# KiCad board manila_ice.kicad_pcb (continued)
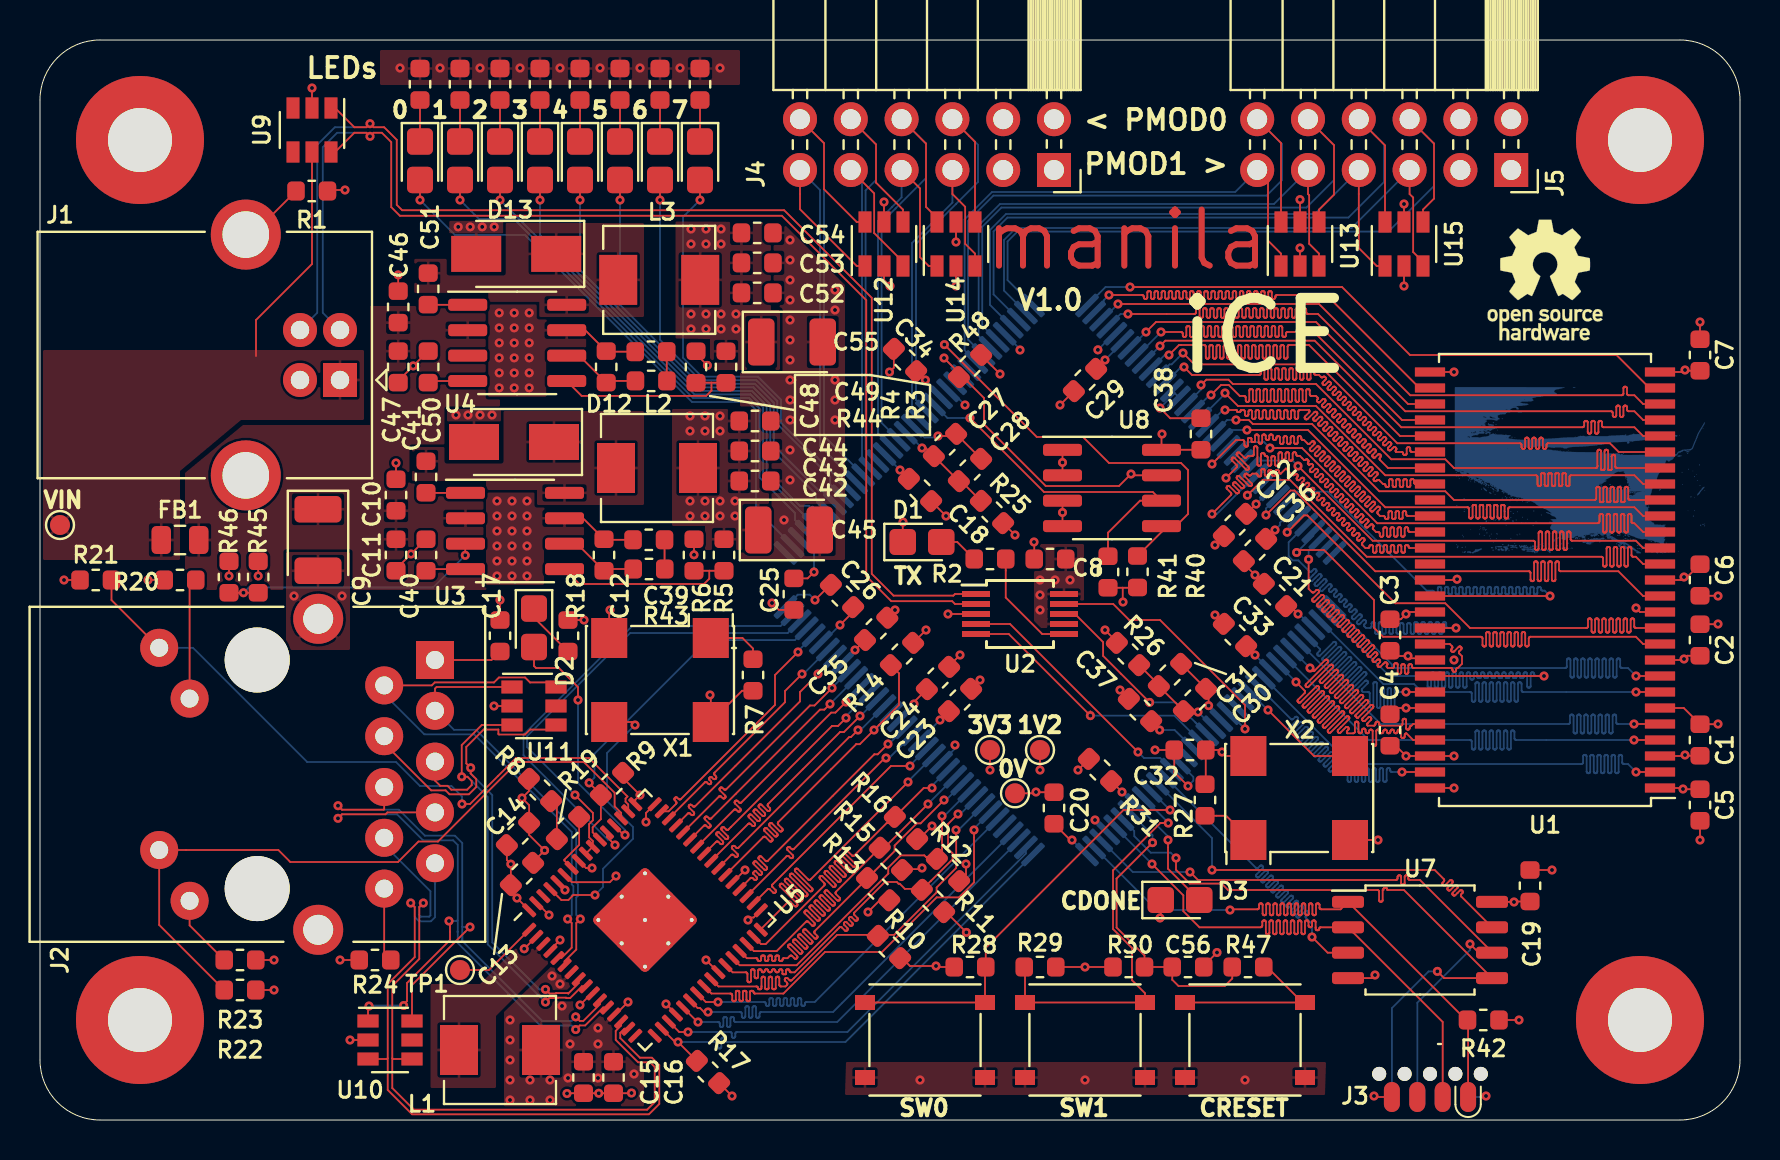
[diagram p0: board, top side]
## Routing (per net, layer and track width the routed paths; a pad name or vN(x,y) marks a point on that pad's centre or on a via; arc(x,y) is an arc through that point) (continued)
  Bottom w0.089: v1(57.2,37.65) 57.05,37.65 U6.12 56.66,37.25
/SDRAM/ADDRESS9: length 31
  Top w0.089: v1(58.55,36.25) 59.05,36.75 59.44,36.75 59.99,36.2 60.2,36.2 60.22,36.2 60.24,36.19 60.25,36.18 60.27,36.17 60.28,36.15 60.28,36.13 60.29,36.11 60.29,35.99 60.29,35.97 60.3,35.95 60.31,35.94 60.32,35.92 60.34,35.91 60.36,35.9 60.38,35.9 60.4,35.9 60.41,35.91 60.43,35.92 60.45,35.94 60.46,35.95 60.46,35.97 60.46,35.99 60.46,36.46 60.47,36.48 60.47,36.5 60.48,36.52 60.5,36.53 60.51,36.54 60.53,36.55 60.55,36.55 60.57,36.55 60.59,36.54 60.61,36.53 60.62,36.52 60.63,36.5 60.64,36.48 60.64,36.46 60.64,35.99 60.64,35.97 60.65,35.95 60.66,35.94 60.68,35.92 60.69,35.91 60.71,35.9 60.73,35.9 60.75,35.9 60.77,35.91 60.79,35.92 60.8,35.94 60.81,35.95 60.82,35.97 60.82,35.99 60.82,36.46 60.82,36.48 60.83,36.5 60.84,36.52 60.85,36.53 60.87,36.54 60.89,36.55 60.91,36.55 60.93,36.55 60.95,36.54 60.96,36.53 60.98,36.52 60.99,36.5 61,36.48 61,36.46 61,35.99 61,35.97 61.01,35.95 61.02,35.94 61.03,35.92 61.05,35.91 61.07,35.9 61.09,35.9 61.11,35.9 61.13,35.91 61.14,35.92 61.16,35.94 61.17,35.95 61.17,35.97 61.18,35.99 61.18,36.46 61.18,36.48 61.18,36.5 61.2,36.52 61.21,36.53 61.23,36.54 61.24,36.55 61.26,36.55 61.28,36.55 61.3,36.54 61.32,36.53 61.33,36.52 61.34,36.5 61.35,36.48 61.35,36.46 61.35,35.99 61.36,35.97 61.36,35.95 61.37,35.94 61.39,35.92 61.4,35.91 61.42,35.9 61.44,35.9 61.46,35.9 61.48,35.91 61.5,35.92 61.51,35.94 61.52,35.95 61.53,35.97 61.53,35.99 61.53,36.46 61.53,36.48 61.54,36.5 61.55,36.52 61.56,36.53 61.58,36.54 61.6,36.55 61.62,36.55 61.64,36.55 61.66,36.54 61.68,36.53 61.69,36.52 61.7,36.5 61.71,36.48 61.71,36.46 61.71,35.99 61.71,35.97 61.72,35.95 61.73,35.94 61.74,35.92 61.76,35.91 61.78,35.9 61.8,35.9 61.82,35.9 61.84,35.91 61.85,35.92 61.87,35.94 61.88,35.95 61.88,35.97 61.89,35.99 61.89,36.46 61.89,36.48 61.9,36.5 61.91,36.52 61.92,36.53 61.94,36.54 61.96,36.55 61.98,36.55 62,36.55 62.01,36.54 62.03,36.53 62.05,36.52 62.06,36.5 62.06,36.48 62.06,36.46 62.06,35.99 62.07,35.97 62.07,35.95 62.08,35.94 62.1,35.92 62.11,35.91 62.13,35.9 62.15,35.9 62.17,35.9 62.19,35.91 62.21,35.92 62.22,35.94 62.23,35.95 62.24,35.97 62.24,35.99 62.24,36.46 62.24,36.48 62.25,36.5 62.26,36.52 62.28,36.53 62.29,36.54 62.31,36.55 62.33,36.55 62.35,36.55 62.37,36.54 62.39,36.53 62.4,36.52 62.41,36.5 62.42,36.48 62.42,36.46 62.42,35.99 62.42,35.97 62.43,35.95 62.44,35.94 62.45,35.92 62.47,35.91 62.49,35.9 62.51,35.9 62.53,35.9 62.55,35.91 62.56,35.92 62.58,35.94 62.59,35.95 62.6,35.97 62.6,35.99 62.6,36.46 62.6,36.48 62.61,36.5 62.62,36.52 62.63,36.53 62.65,36.54 62.67,36.55 62.69,36.55 62.71,36.55 62.73,36.54 62.74,36.53 62.76,36.52 62.77,36.5 62.77,36.48 62.78,36.46 62.78,35.99 62.78,35.97 62.78,35.95 62.8,35.94 62.81,35.92 62.83,35.91 62.84,35.9 62.86,35.9 62.88,35.9 62.9,35.91 62.92,35.92 62.93,35.94 62.94,35.95 62.95,35.97 62.95,35.99 62.95,36.46 62.96,36.48 62.96,36.5 62.97,36.52 62.99,36.53 63,36.54 63.02,36.55 63.04,36.55 63.06,36.55 63.08,36.54 63.1,36.53 63.11,36.52 63.12,36.5 63.13,36.48 63.13,36.46 63.13,35.99 63.13,35.97 63.14,35.95 63.15,35.94 63.16,35.92 63.18,35.91 63.2,35.9 63.22,35.9 63.24,35.9 63.26,35.91 63.28,35.92 63.29,35.94 63.3,35.95 63.31,35.97 63.31,35.99 63.31,36.46 63.31,36.48 63.32,36.5 63.33,36.52 63.34,36.53 63.36,36.54 63.38,36.55 63.4,36.55 63.42,36.55 63.44,36.54 63.45,36.53 63.47,36.52 63.48,36.5 63.48,36.48 63.49,36.46 63.49,36.29 63.49,36.27 63.5,36.25 63.51,36.24 63.52,36.22 63.54,36.21 63.56,36.2 63.58,36.2 63.8,36.2 63.87,36.13 63.88,36.12 63.89,36.1 63.89,36.09 63.89,36.07 63.89,36.05 63.88,36.04 63.86,36.01 63.85,36 63.85,35.98 63.85,35.96 63.85,35.95 63.86,35.93 63.87,35.92 63.89,35.9 63.9,35.89 63.92,35.88 63.93,35.88 63.95,35.88 63.97,35.88 63.98,35.89 63.99,35.9 64.13,36.03 64.14,36.04 64.16,36.05 64.18,36.06 64.2,36.06 64.22,36.05 64.24,36.04 64.25,36.03 64.26,36.02 64.27,36 64.28,35.98 64.28,35.96 64.27,35.94 64.26,35.92 64.25,35.91 64.12,35.77 64.11,35.76 64.1,35.75 64.1,35.73 64.1,35.71 64.1,35.7 64.11,35.68 64.12,35.67 64.14,35.65 64.15,35.64 64.17,35.63 64.18,35.63 64.2,35.63 64.22,35.63 64.23,35.64 64.25,35.65 64.38,35.78 64.39,35.79 64.41,35.8 64.43,35.81 64.45,35.81 64.47,35.8 64.49,35.79 64.5,35.78 64.52,35.76 64.52,35.75 64.53,35.73 64.53,35.71 64.52,35.69 64.52,35.67 64.5,35.65 64.37,35.52 64.36,35.51 64.35,35.49 64.35,35.48 64.35,35.46 64.35,35.44 64.36,35.43 64.37,35.42 64.39,35.4 64.4,35.39 64.42,35.38 64.44,35.38 64.45,35.38 64.47,35.38 64.48,35.39 64.5,35.4 64.63,35.53 64.64,35.54 64.66,35.55 64.68,35.55 64.7,35.55 64.72,35.55 64.74,35.54 64.75,35.53 64.77,35.51 64.78,35.49 64.78,35.48 64.78,35.46 64.78,35.44 64.77,35.42 64.75,35.4 64.62,35.27 64.61,35.26 64.61,35.24 64.6,35.23 64.6,35.21 64.61,35.19 64.61,35.18 64.62,35.17 64.64,35.15 64.66,35.13 64.67,35.13 64.69,35.12 64.7,35.12 64.72,35.13 64.74,35.13 64.75,35.15 64.88,35.28 64.9,35.29 64.91,35.3 64.93,35.3 64.95,35.3 64.97,35.3 64.99,35.29 65.01,35.28 65.02,35.26 65.03,35.24 65.03,35.22 65.03,35.2 65.03,35.18 65.02,35.17 65.01,35.15 64.87,35.02 64.86,35.01 64.86,34.99 64.85,34.98 64.85,34.96 64.86,34.94 64.86,34.93 64.87,34.91 64.89,34.89 64.91,34.88 64.92,34.88 64.94,34.87 64.96,34.87 64.97,34.88 64.99,34.88 65,34.89 65.13,35.03 65.15,35.04 65.17,35.05 65.18,35.05 65.2,35.05 65.22,35.05 65.24,35.04 65.26,35.03 65.27,35.01 65.28,34.99 65.28,34.97 65.28,34.95 65.28,34.93 65.27,34.92 65.26,34.9 65.13,34.77 65.12,34.76 65.11,34.74 65.1,34.72 65.1,34.71 65.11,34.69 65.12,34.68 65.13,34.66 65.15,34.64 65.16,34.63 65.17,34.62 65.19,34.62 65.21,34.62 65.22,34.62 65.24,34.63 65.25,34.64 65.38,34.77 65.4,34.79 65.42,34.8 65.44,34.8 65.46,34.8 65.48,34.8 65.49,34.79 65.51,34.77 65.52,34.76 65.53,34.74 65.53,34.72 65.53,34.7 65.53,34.68 65.52,34.66 65.51,34.65 65.38,34.52 65.37,34.5 65.36,34.49 65.36,34.47 65.36,34.46 65.36,34.44 65.37,34.42 65.38,34.41 65.4,34.39 65.41,34.38 65.43,34.37 65.44,34.37 65.46,34.37 65.47,34.37 65.49,34.38 65.5,34.39 65.63,34.52 65.65,34.54 65.67,34.54 65.69,34.55 65.71,34.55 65.73,34.54 65.74,34.54 65.76,34.52 65.77,34.51 65.78,34.49 65.79,34.47 65.79,34.45 65.78,34.43 65.77,34.41 65.76,34.4 65.63,34.27 65.62,34.25 65.61,34.24 65.61,34.22 65.61,34.2 65.61,34.19 65.62,34.17 65.63,34.16 65.65,34.14 65.66,34.13 65.68,34.12 65.69,34.12 65.71,34.12 65.73,34.12 65.74,34.13 65.75,34.14 65.89,34.27 65.9,34.28 65.92,34.29 65.94,34.3 65.96,34.3 65.98,34.29 66,34.28 66.01,34.27 66.02,34.26 66.03,34.24 66.04,34.22 66.04,34.2 66.03,34.18 66.02,34.16 66.01,34.15 65.88,34.01 65.87,34 65.86,33.99 65.86,33.97 65.86,33.95 65.86,33.94 65.87,33.92 65.88,33.91 65.9,33.89 65.91,33.88 65.93,33.87 65.94,33.87 65.96,33.87 65.98,33.87 65.99,33.88 66.01,33.89 66.14,34.02 66.15,34.03 66.17,34.04 66.19,34.05 66.21,34.05 66.23,34.04 66.25,34.03 66.26,34.02 66.28,34 66.28,33.99 66.29,33.97 66.29,33.95 66.28,33.93 66.28,33.91 66.26,33.89 66.13,33.76 66.12,33.75 66.11,33.73 66.11,33.72 66.11,33.7 66.11,33.68 66.12,33.67 66.13,33.66 66.15,33.64 66.16,33.63 66.18,33.62 66.2,33.62 66.21,33.62 66.23,33.62 66.24,33.63 66.26,33.64 66.39,33.77 66.4,33.78 66.42,33.79 66.44,33.79 66.46,33.79 66.48,33.79 66.5,33.78 66.51,33.77 66.53,33.75 66.54,33.73 66.54,33.72 66.54,33.7 66.54,33.68 66.53,33.66 66.51,33.64 66.38,33.51 66.37,33.5 66.37,33.48 66.36,33.47 66.36,33.45 66.37,33.43 66.37,33.42 66.38,33.4 66.4,33.39 66.42,33.37 66.43,33.37 66.45,33.36 66.46,33.36 66.48,33.37 66.5,33.37 66.51,33.39 66.64,33.52 66.66,33.53 66.67,33.54 66.69,33.54 66.71,33.54 66.73,33.54 66.75,33.53 66.77,33.52 66.78,33.5 66.79,33.48 66.79,33.46 66.79,33.44 66.79,33.42 66.78,33.41 66.77,33.39 66.63,33.26 66.62,33.25 66.62,33.23 66.61,33.21 66.61,33.2 66.62,33.18 66.62,33.17 66.63,33.15 66.65,33.13 66.67,33.12 66.68,33.12 66.7,33.11 66.72,33.11 66.73,33.12 66.75,33.12 66.76,33.13 66.89,33.27 66.91,33.28 66.93,33.29 66.94,33.29 66.96,33.29 66.98,33.29 67,33.28 67.02,33.27 67.03,33.25 67.04,33.23 67.04,33.21 67.04,33.19 67.04,33.17 67.03,33.16 67.02,33.14 67,33.12 66.99,33.11 66.98,33.09 66.98,33.07 66.98,33.05 66.98,33.03 66.99,33.01 67,33 67.4,32.6 U1.34
  Bottom w0.089: U6.16 58.48,36.25 v1(58.55,36.25)
/SDRAM/ADDRESS10: length 31.1
  Top w0.089: v1(57.15,38.35) 57.72,37.78 63.92,37.78 67.86,33.84 73.99,33.84 74.01,33.84 74.03,33.83 74.04,33.82 74.06,33.8 74.07,33.79 74.07,33.77 74.08,33.75 74.08,33.64 74.08,33.62 74.09,33.6 74.1,33.59 74.11,33.57 74.13,33.56 74.15,33.56 74.17,33.55 74.19,33.56 74.2,33.56 74.22,33.57 74.23,33.59 74.25,33.6 74.25,33.62 74.25,33.64 74.25,34.03 74.26,34.05 74.26,34.07 74.27,34.09 74.29,34.1 74.3,34.11 74.32,34.12 74.34,34.12 74.36,34.12 74.38,34.11 74.4,34.1 74.41,34.09 74.42,34.07 74.43,34.05 74.43,34.03 74.43,33.64 74.43,33.62 74.44,33.6 74.45,33.59 74.47,33.57 74.48,33.56 74.5,33.56 74.52,33.55 74.54,33.56 74.56,33.56 74.58,33.57 74.59,33.59 74.6,33.6 74.61,33.62 74.61,33.64 74.61,34.03 74.61,34.05 74.62,34.07 74.63,34.09 74.64,34.1 74.66,34.11 74.68,34.12 74.7,34.12 74.72,34.12 74.74,34.11 74.75,34.1 74.77,34.09 74.78,34.07 74.79,34.05 74.79,34.03 74.79,33.64 74.79,33.62 74.8,33.6 74.81,33.59 74.82,33.57 74.84,33.56 74.86,33.56 74.88,33.55 74.9,33.56 74.92,33.56 74.93,33.57 74.95,33.59 74.96,33.6 74.96,33.62 74.97,33.64 74.97,34.03 74.97,34.05 74.97,34.07 74.98,34.09 75,34.1 75.02,34.11 75.03,34.12 75.05,34.12 75.07,34.12 75.09,34.11 75.11,34.1 75.12,34.09 75.13,34.07 75.14,34.05 75.14,34.03 75.14,33.64 75.15,33.62 75.15,33.6 75.16,33.59 75.18,33.57 75.19,33.56 75.21,33.56 75.23,33.55 75.25,33.56 75.27,33.56 75.29,33.57 75.3,33.59 75.31,33.6 75.32,33.62 75.32,33.64 75.32,33.75 75.32,33.77 75.33,33.79 75.34,33.8 75.35,33.82 75.37,33.83 75.39,33.84 75.41,33.84 78.5,33.84 78.93,33.4 U1.22
  Bottom w0.089: v1(57.15,38.35) 56.58,37.78 56.48,37.78 U6.11 55.99,37.19
/SDRAM/ADDRESS11: length 31.2
  Top w0.089: v1(59.25,35.5) 59.8,35.5 59.81,35.5 59.82,35.5 59.83,35.49 59.84,35.48 59.85,35.47 59.85,35.46 59.85,35.44 59.85,35.43 59.86,35.42 59.87,35.41 59.88,35.4 59.89,35.4 59.9,35.4 59.98,35.4 59.99,35.4 60,35.4 60.01,35.41 60.02,35.42 60.02,35.43 60.03,35.44 60.03,35.46 60.03,35.47 60.04,35.48 60.05,35.49 60.06,35.5 60.07,35.5 60.08,35.5 60.16,35.5 60.18,35.5 60.19,35.49 60.21,35.48 60.23,35.47 60.24,35.45 60.24,35.43 60.24,35.41 60.24,35.29 60.25,35.27 60.25,35.25 60.26,35.23 60.28,35.22 60.29,35.21 60.31,35.2 60.33,35.2 60.35,35.2 60.37,35.21 60.39,35.22 60.4,35.23 60.41,35.25 60.42,35.27 60.42,35.29 60.42,35.41 60.42,35.43 60.43,35.45 60.44,35.47 60.46,35.48 60.47,35.49 60.49,35.5 60.51,35.5 60.53,35.5 60.55,35.49 60.57,35.48 60.58,35.47 60.59,35.45 60.6,35.43 60.6,35.41 60.6,35.14 60.6,35.12 60.61,35.1 60.62,35.08 60.63,35.07 60.65,35.06 60.67,35.05 60.69,35.05 60.71,35.05 60.73,35.06 60.74,35.07 60.76,35.08 60.77,35.1 60.78,35.12 60.78,35.14 60.78,35.41 60.78,35.43 60.79,35.45 60.8,35.47 60.81,35.48 60.83,35.49 60.85,35.5 60.87,35.5 60.89,35.5 60.91,35.49 60.92,35.48 60.94,35.47 60.95,35.45 60.95,35.43 60.96,35.41 60.96,35.14 60.96,35.12 60.96,35.1 60.98,35.08 60.99,35.07 61.01,35.06 61.02,35.05 61.04,35.05 61.06,35.05 61.08,35.06 61.1,35.07 61.11,35.08 61.12,35.1 61.13,35.12 61.13,35.14 61.13,35.41 61.14,35.43 61.14,35.45 61.15,35.47 61.17,35.48 61.18,35.49 61.2,35.5 61.22,35.5 61.24,35.5 61.26,35.49 61.28,35.48 61.29,35.47 61.3,35.45 61.31,35.43 61.31,35.41 61.31,35.14 61.31,35.12 61.32,35.1 61.33,35.08 61.34,35.07 61.36,35.06 61.38,35.05 61.4,35.05 61.42,35.05 61.44,35.06 61.46,35.07 61.47,35.08 61.48,35.1 61.49,35.12 61.49,35.14 61.49,35.41 61.49,35.43 61.5,35.45 61.51,35.47 61.52,35.48 61.54,35.49 61.56,35.5 61.58,35.5 61.6,35.5 61.62,35.49 61.63,35.48 61.65,35.47 61.66,35.45 61.66,35.43 61.67,35.41 61.67,35.14 61.67,35.12 61.68,35.1 61.69,35.08 61.7,35.07 61.72,35.06 61.74,35.05 61.76,35.05 61.78,35.05 61.79,35.06 61.81,35.07 61.83,35.08 61.84,35.1 61.84,35.12 61.84,35.14 61.84,35.41 61.85,35.43 61.85,35.45 61.86,35.47 61.88,35.48 61.9,35.49 61.91,35.5 61.93,35.5 61.95,35.5 61.97,35.49 61.99,35.48 62,35.47 62.01,35.45 62.02,35.43 62.02,35.41 62.02,35.14 62.02,35.12 62.03,35.1 62.04,35.08 62.06,35.07 62.07,35.06 62.09,35.05 62.11,35.05 62.13,35.05 62.15,35.06 62.17,35.07 62.18,35.08 62.19,35.1 62.2,35.12 62.2,35.14 62.2,35.41 62.2,35.43 62.21,35.45 62.22,35.47 62.23,35.48 62.25,35.49 62.27,35.5 62.29,35.5 62.31,35.5 62.33,35.49 62.34,35.48 62.36,35.47 62.37,35.45 62.38,35.43 62.38,35.41 62.38,35.14 62.38,35.12 62.39,35.1 62.4,35.08 62.41,35.07 62.43,35.06 62.45,35.05 62.47,35.05 62.49,35.05 62.51,35.06 62.52,35.07 62.54,35.08 62.55,35.1 62.55,35.12 62.56,35.14 62.56,35.41 62.56,35.43 62.56,35.45 62.58,35.47 62.59,35.48 62.61,35.49 62.63,35.5 62.64,35.5 62.66,35.5 62.68,35.49 62.7,35.48 62.71,35.47 62.72,35.45 62.73,35.43 62.73,35.41 62.73,35.14 62.74,35.12 62.74,35.1 62.75,35.08 62.77,35.07 62.78,35.06 62.8,35.05 62.82,35.05 62.84,35.05 62.86,35.06 62.88,35.07 62.89,35.08 62.9,35.1 62.91,35.12 62.91,35.14 62.91,35.41 62.91,35.43 62.92,35.45 62.93,35.47 62.94,35.48 62.96,35.49 62.98,35.5 63,35.5 63.45,35.5 63.46,35.48 63.47,35.47 63.48,35.45 63.48,35.43 63.47,35.41 63.46,35.39 63.45,35.37 63.26,35.18 63.25,35.17 63.24,35.15 63.23,35.13 63.23,35.11 63.24,35.09 63.25,35.07 63.26,35.06 63.27,35.04 63.29,35.04 63.31,35.03 63.33,35.03 63.35,35.04 63.37,35.04 63.38,35.06 63.72,35.39 63.73,35.4 63.75,35.41 63.77,35.42 63.79,35.42 63.81,35.41 63.83,35.4 63.84,35.39 63.86,35.37 63.86,35.36 63.87,35.34 63.87,35.32 63.86,35.3 63.86,35.28 63.84,35.26 63.69,35.11 63.67,35.09 63.66,35.07 63.66,35.05 63.66,35.03 63.66,35.01 63.67,35 63.69,34.98 63.7,34.97 63.72,34.96 63.74,34.96 63.76,34.96 63.78,34.96 63.8,34.97 63.81,34.98 63.97,35.14 63.98,35.15 64,35.16 64.02,35.16 64.04,35.16 64.06,35.16 64.08,35.15 64.09,35.14 64.11,35.12 64.12,35.11 64.12,35.09 64.12,35.07 64.12,35.05 64.11,35.03 64.09,35.01 63.94,34.86 63.92,34.84 63.92,34.82 63.91,34.8 63.91,34.78 63.92,34.76 63.92,34.75 63.94,34.73 63.95,34.72 63.97,34.71 63.99,34.7 64.01,34.7 64.03,34.71 64.05,34.72 64.06,34.73 64.22,34.89 64.24,34.9 64.25,34.91 64.27,34.91 64.29,34.91 64.31,34.91 64.33,34.9 64.35,34.89 64.36,34.87 64.37,34.85 64.37,34.83 64.37,34.81 64.37,34.79 64.36,34.78 64.35,34.76 64.19,34.6 64.18,34.59 64.17,34.57 64.16,34.55 64.16,34.53 64.17,34.51 64.18,34.49 64.19,34.48 64.2,34.47 64.22,34.46 64.24,34.45 64.26,34.45 64.28,34.46 64.3,34.47 64.31,34.48 64.47,34.64 64.49,34.65 64.5,34.66 64.52,34.66 64.54,34.66 64.56,34.66 64.58,34.65 64.6,34.64 64.61,34.62 64.62,34.6 64.62,34.58 64.62,34.56 64.62,34.54 64.61,34.53 64.6,34.51 64.44,34.35 64.43,34.34 64.42,34.32 64.41,34.3 64.41,34.28 64.42,34.26 64.43,34.24 64.44,34.23 64.46,34.21 64.47,34.21 64.49,34.2 64.51,34.2 64.53,34.21 64.55,34.21 64.57,34.23 64.72,34.38 64.74,34.4 64.76,34.41 64.78,34.41 64.8,34.41 64.82,34.41 64.83,34.4 64.85,34.38 64.86,34.37 64.87,34.35 64.87,34.33 64.87,34.31 64.87,34.29 64.86,34.27 64.85,34.26 64.69,34.1 64.68,34.09 64.67,34.07 64.67,34.05 64.67,34.03 64.67,34.01 64.68,33.99 64.69,33.98 64.71,33.96 64.73,33.95 64.74,33.95 64.76,33.95 64.78,33.95 64.8,33.96 64.82,33.98 64.97,34.13 64.99,34.15 65.01,34.15 65.03,34.16 65.05,34.16 65.07,34.15 65.08,34.15 65.1,34.13 65.11,34.12 65.12,34.1 65.13,34.08 65.13,34.06 65.12,34.04 65.11,34.02 65.1,34.01 64.94,33.85 64.93,33.83 64.92,33.82 64.92,33.8 64.92,33.78 64.92,33.76 64.93,33.74 64.94,33.72 64.96,33.71 64.98,33.7 65,33.7 65.02,33.7 65.04,33.7 65.05,33.71 65.07,33.72 65.23,33.88 65.24,33.89 65.26,33.9 65.28,33.91 65.3,33.91 65.32,33.9 65.34,33.89 65.35,33.88 65.36,33.87 65.37,33.85 65.38,33.83 65.38,33.81 65.37,33.79 65.36,33.77 65.35,33.76 65.19,33.6 65.18,33.58 65.17,33.56 65.17,33.55 65.17,33.53 65.17,33.51 65.18,33.49 65.19,33.47 65.21,33.46 65.23,33.45 65.25,33.45 65.27,33.45 65.29,33.45 65.3,33.46 65.32,33.47 65.48,33.63 65.49,33.64 65.51,33.65 65.53,33.66 65.55,33.66 65.57,33.65 65.59,33.64 65.6,33.63 65.62,33.61 65.62,33.6 65.63,33.58 65.63,33.56 65.62,33.54 65.62,33.52 65.6,33.5 65.45,33.35 65.43,33.33 65.42,33.31 65.42,33.29 65.42,33.27 65.42,33.25 65.43,33.24 65.45,33.22 65.46,33.21 65.48,33.2 65.5,33.2 65.52,33.2 65.54,33.2 65.56,33.21 65.57,33.22 65.73,33.38 65.74,33.39 65.76,33.4 65.78,33.4 65.8,33.4 65.82,33.4 65.84,33.39 65.85,33.38 65.87,33.36 65.88,33.34 65.88,33.33 65.88,33.31 65.88,33.29 65.87,33.27 65.85,33.25 65.7,33.1 65.68,33.08 65.68,33.06 65.67,33.04 65.67,33.02 65.68,33 65.68,32.99 65.7,32.97 65.71,32.96 65.73,32.95 65.75,32.94 65.77,32.94 65.79,32.95 65.81,32.96 65.82,32.97 65.98,33.13 66,33.14 66.01,33.15 66.03,33.15 66.05,33.15 66.07,33.15 66.09,33.14 66.11,33.13 66.12,33.11 66.13,33.09 66.13,33.07 66.13,33.05 66.13,33.03 66.12,33.02 66.11,33 65.95,32.84 65.94,32.83 65.93,32.81 65.92,32.79 65.92,32.77 65.93,32.75 65.94,32.73 65.95,32.72 65.96,32.71 65.98,32.7 66,32.69 66.02,32.69 66.04,32.7 66.06,32.71 66.07,32.72 66.23,32.88 66.25,32.89 66.27,32.9 66.28,32.9 66.3,32.9 66.32,32.9 66.34,32.89 66.36,32.88 66.37,32.86 66.38,32.84 66.38,32.82 66.38,32.8 66.38,32.78 66.37,32.77 66.36,32.75 66.2,32.59 66.19,32.58 66.18,32.56 66.17,32.54 66.17,32.52 66.18,32.5 66.19,32.48 66.2,32.47 66.22,32.45 66.23,32.45 66.25,32.44 66.27,32.44 66.29,32.45 66.31,32.45 66.33,32.47 66.48,32.62 66.5,32.64 66.52,32.65 66.54,32.65 66.56,32.65 66.58,32.65 66.59,32.64 66.61,32.62 66.62,32.61 66.63,32.59 66.63,32.57 66.63,32.55 66.63,32.53 66.62,32.51 66.61,32.5 66.45,32.34 66.44,32.33 66.43,32.31 66.43,32.29 66.43,32.27 66.43,32.25 66.44,32.23 66.45,32.22 66.47,32.2 66.49,32.19 66.5,32.19 66.52,32.19 66.54,32.19 66.56,32.2 66.58,32.22 66.73,32.37 66.75,32.39 66.77,32.39 66.79,32.4 66.81,32.4 66.83,32.39 66.84,32.39 66.86,32.37 66.87,32.36 66.88,32.34 66.89,32.32 66.89,32.3 66.88,32.28 66.87,32.26 66.86,32.25 66.7,32.09 66.69,32.07 66.68,32.06 66.68,32.04 66.68,32.02 66.68,32 66.69,31.98 66.7,31.96 66.72,31.95 66.74,31.94 66.76,31.94 66.78,31.94 66.8,31.94 66.81,31.95 66.83,31.96 66.84,31.98 66.86,31.99 66.88,32 66.9,32.01 66.92,32.01 66.94,32 66.95,31.99 66.97,31.98 67.15,31.8 67.2,31.8 67.22,31.8 67.23,31.79 67.25,31.78 67.26,31.77 67.27,31.76 67.27,31.74 67.28,31.71 67.28,31.69 67.29,31.68 67.3,31.67 67.32,31.66 67.33,31.65 67.35,31.65 67.38,31.65 67.39,31.65 67.41,31.66 67.42,31.67 67.44,31.68 67.45,31.69 67.45,31.71 67.45,31.72 67.45,31.96 67.46,31.98 67.46,32 67.47,32.02 67.49,32.03 67.5,32.04 67.52,32.05 67.54,32.05 67.56,32.05 67.58,32.04 67.6,32.03 67.61,32.02 67.62,32 67.63,31.98 67.63,31.96 67.63,31.72 67.63,31.71 67.64,31.69 67.65,31.68 67.66,31.67 67.67,31.66 67.69,31.65 67.71,31.65 67.73,31.65 67.75,31.65 67.77,31.66 67.78,31.67 67.79,31.68 67.8,31.69 67.81,31.71 67.81,31.72 67.81,31.96 67.81,31.98 67.82,32 67.83,32.02 67.84,32.03 67.86,32.04 67.88,32.05 67.9,32.05 67.92,32.05 67.94,32.04 67.95,32.03 67.97,32.02 67.98,32 67.98,31.98 67.99,31.96 67.99,31.72 67.99,31.71 67.99,31.69 68,31.68 68.01,31.67 68.03,31.66 68.04,31.65 68.06,31.65 68.09,31.65 68.11,31.65 68.12,31.66 68.14,31.67 68.15,31.68 68.16,31.69 68.16,31.71 68.16,31.72 68.16,31.96 68.17,31.98 68.17,32 68.18,32.02 68.2,32.03 68.21,32.04 68.23,32.05 68.25,32.05 68.27,32.05 68.29,32.04 68.31,32.03 68.32,32.02 68.33,32 68.34,31.98 68.34,31.96 68.34,31.72 68.34,31.71 68.35,31.69 68.36,31.68 68.37,31.67 68.38,31.66 68.4,31.65 68.42,31.65 68.44,31.65 68.46,31.65 68.48,31.66 68.49,31.67 68.5,31.68 68.51,31.69 68.52,31.71 68.52,31.72 68.52,31.96 68.52,31.98 68.53,32 68.54,32.02 68.55,32.03 68.57,32.04 68.59,32.05 68.61,32.05 68.63,32.05 68.65,32.04 68.66,32.03 68.68,32.02 68.69,32 68.7,31.98 68.7,31.96 68.7,31.89 68.7,31.87 68.71,31.85 68.72,31.83 68.73,31.82 68.75,31.81 68.77,31.8 68.79,31.8 U1.35
  Bottom w0.089: v1(59.25,35.5) 59.15,35.5 U6.18 58.85,35.2
